# KiCad board asynthosc.kicad_pcb
title: Asynth2Osc; rev: 0.2; company: Redero Tech; note: CERN Open Hardware Licence
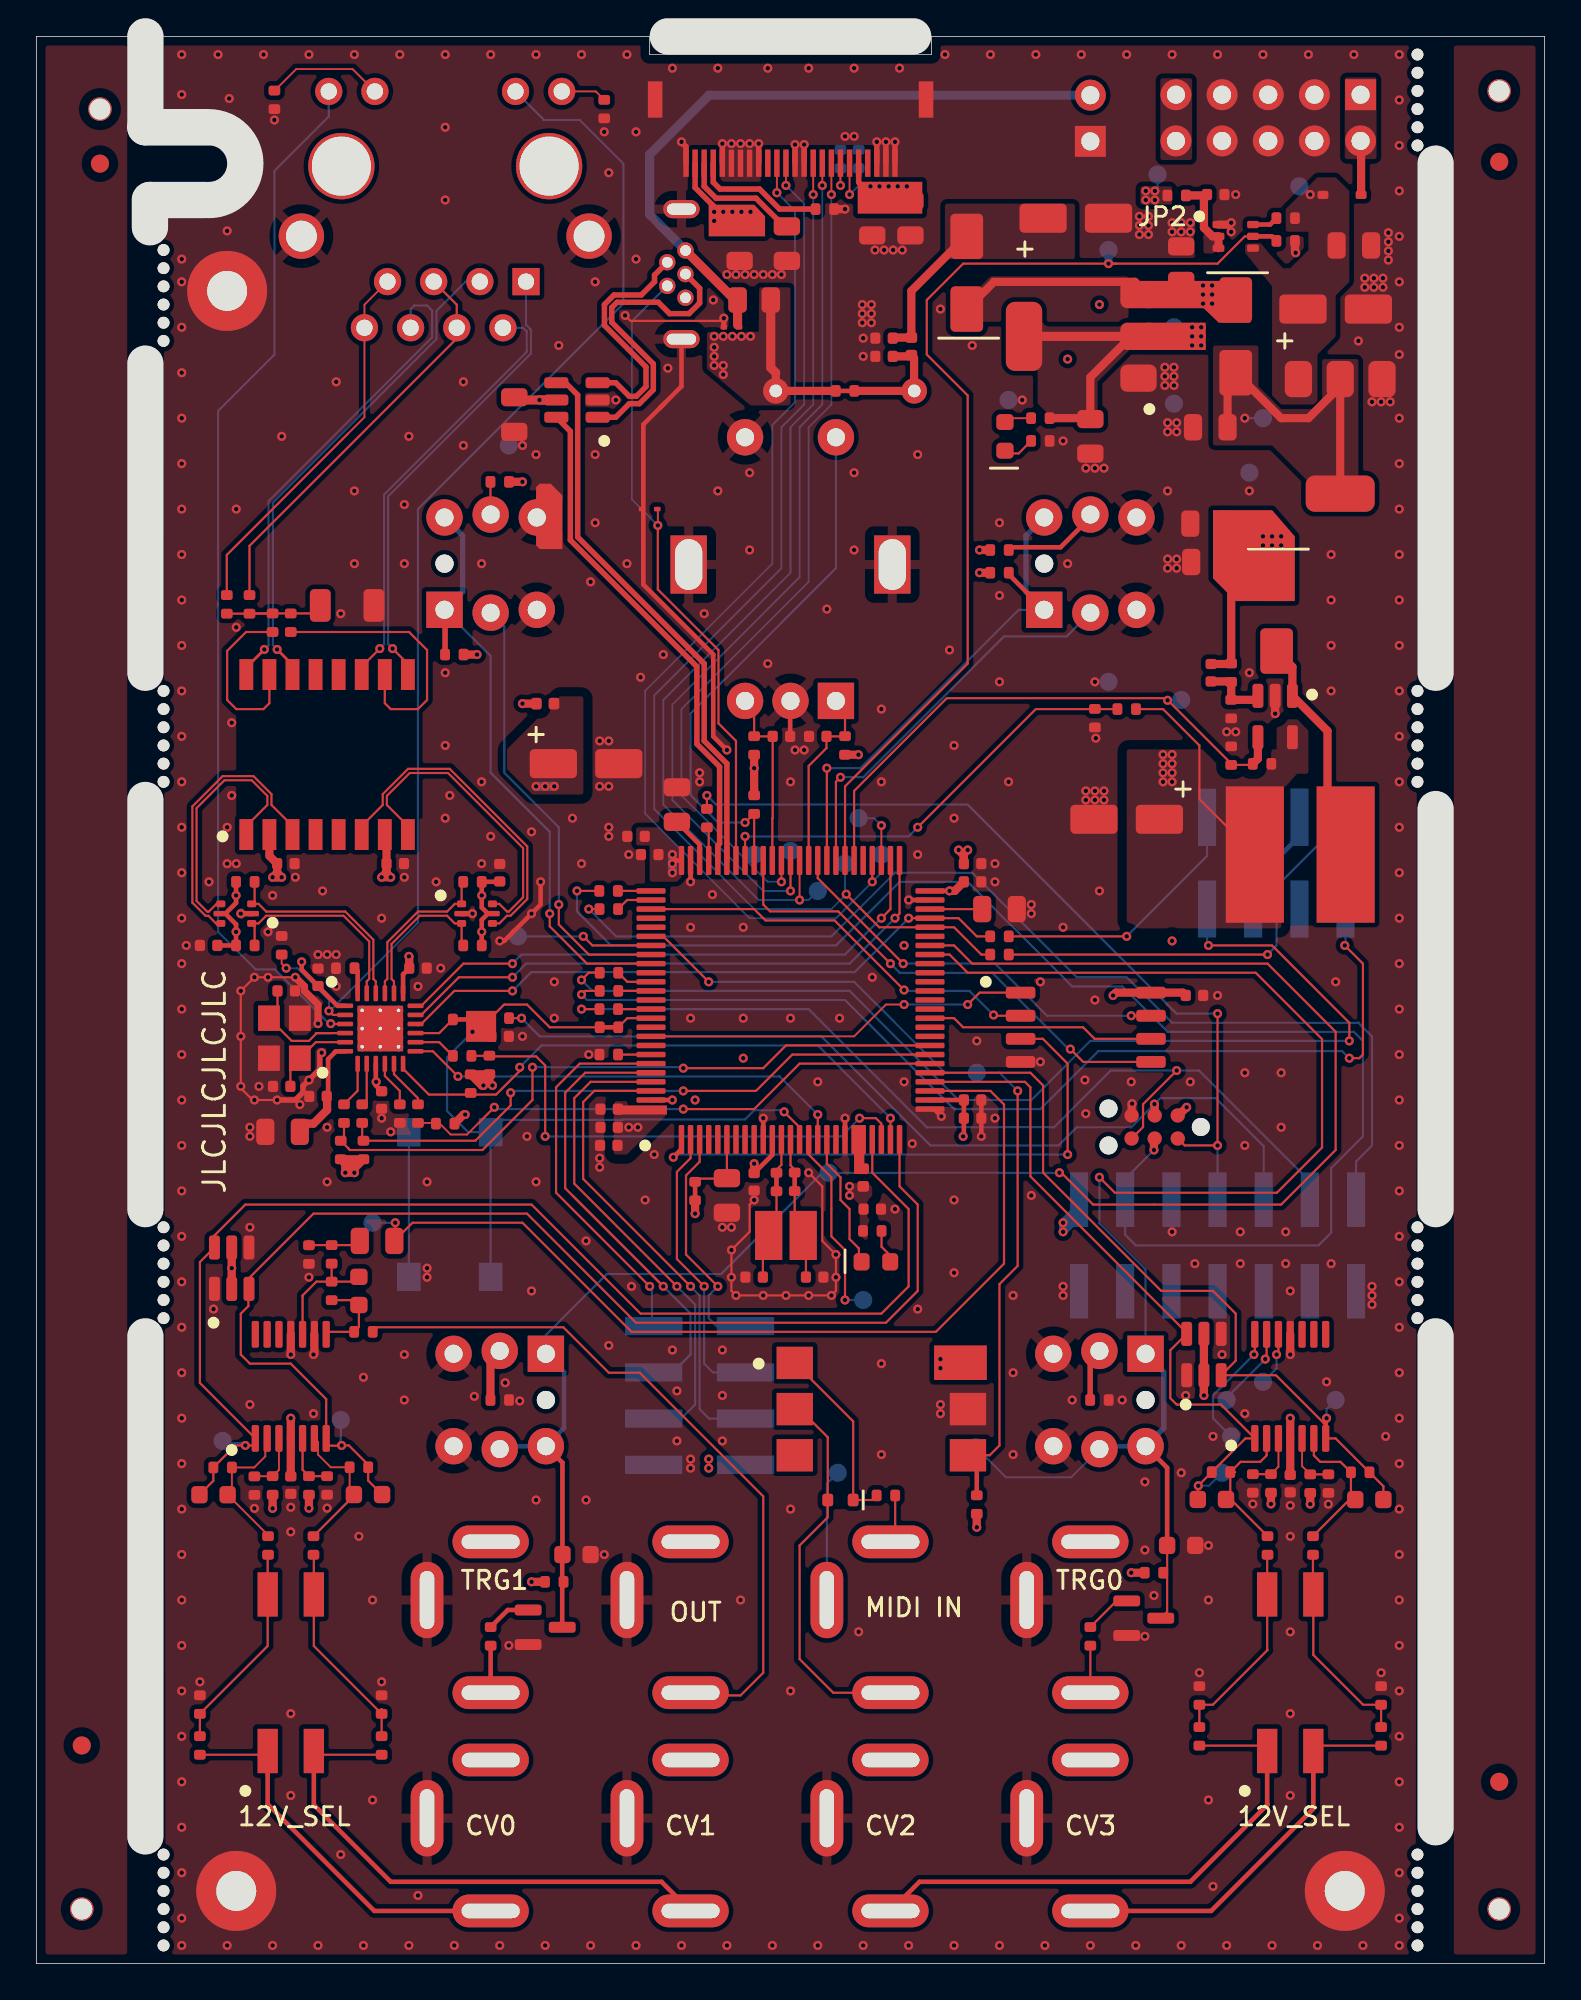
[diagram p0: board, top side]
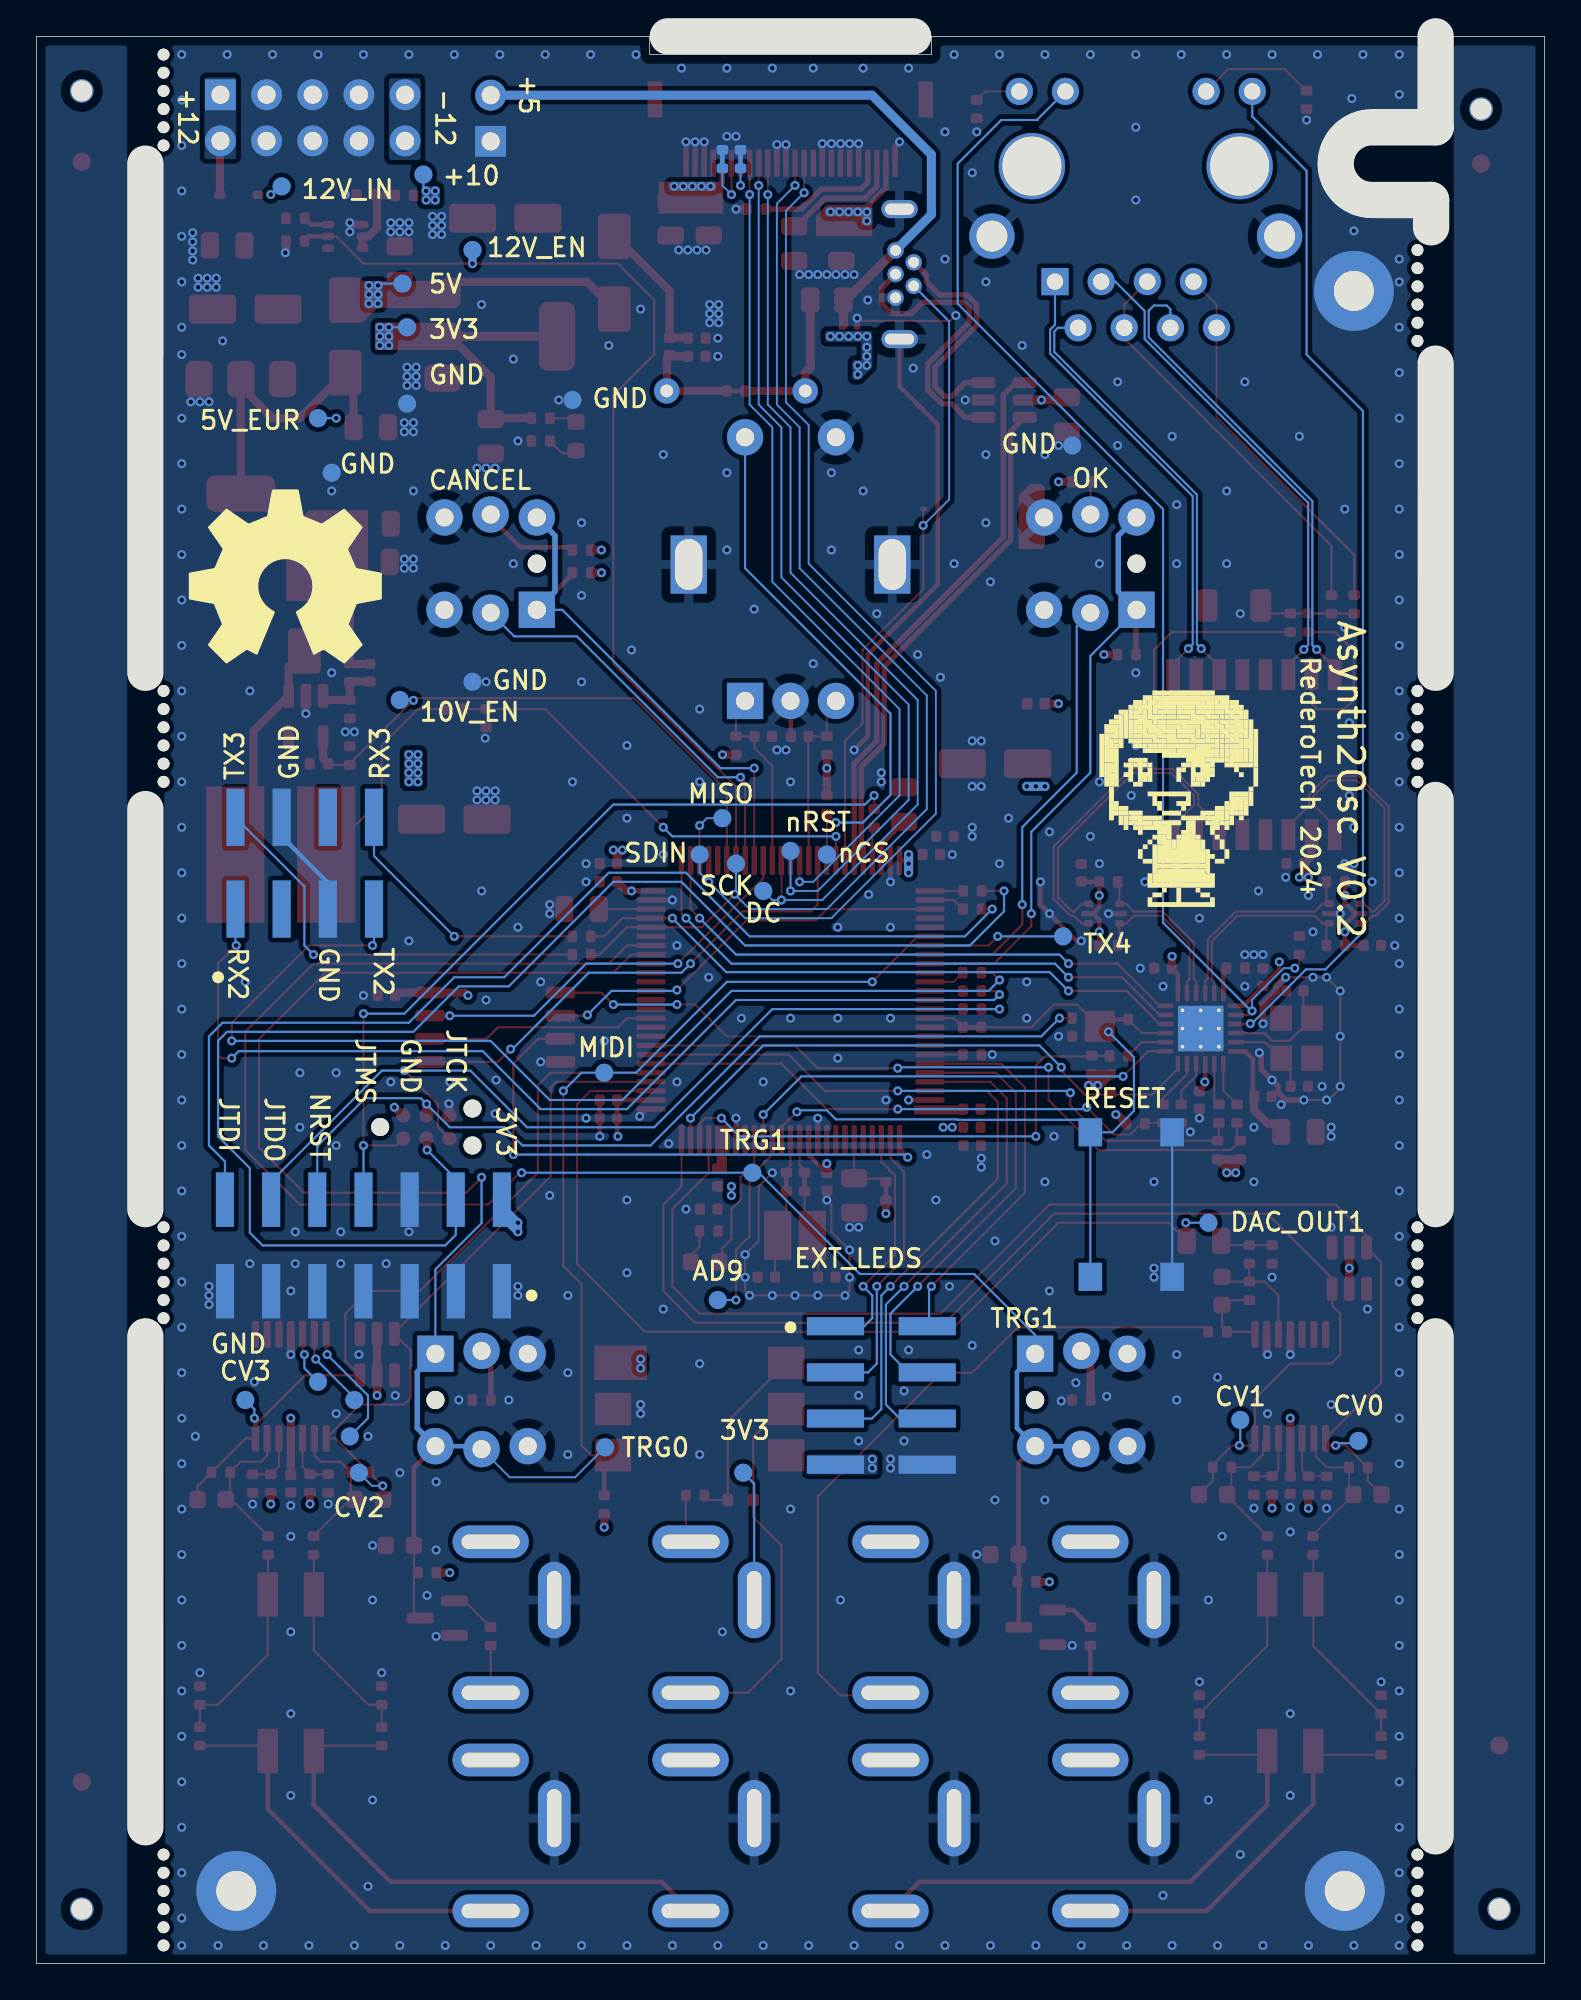
[diagram p1: board, bottom side, seen from below]

Outline 83 x 106 mm; copper layers: Front, In1.Cu, In2.Cu, Back. Coordinates in mm from the lower left corner of the outline.
Outline path: 6,106 6,101 9.25,101 ; 6,71 6,88 ; 6,41.5 6,64 ; 6,7 6,34.5 ; 9.25,97 6.25,97 6.25,95.5 ; 9.5,101 arc(11.5,99) 9.5,97 ; 48.25,106 34.75,106 ; 77,71 77,99 ; 77,41.5 77,63.5 ; 77,7.5 77,34.5 ; 0,106 33.75,106 33.75,105 49.25,105 49.25,106 83,106 83,0 0,0 0,106
Stack: Front 0.035mm / dielectric 0.2104mm FR4 er 4.5 / In1.Cu 0.0152mm / dielectric 1.065mm FR4 er 4.5 / In2.Cu 0.0152mm / dielectric 0.2104mm FR4 er 4.5 / Back 0.035mm

## Placement (name value [footprint] x y rotation side)
C1  100nF  [C_0805_2012Metric]  63 93.5 90 top
C2  100nF  [C_0805_2012Metric]  26.3 85.2 270 top
C3  10uF  [CP_Elec_4x5.4]  60 62.94 180 top  (not fitted)
C4  100nF  [C_0805_2012Metric]  58 84 270 top
C5  10uF  [CP_Elec_4x5.4]  71.5 91 0 top  (not fitted)
C6  680pF  [C_0402_1005Metric]  64.65 71 90 top
C7  47uF 3.037mOhms  [C_0805_2012Metric]  64.5 77.09 180 top
C8  100nF  [C_0805_2012Metric]  72.5 94.5 0 top
C9  100nF  [C_0805_2012Metric]  64.6 84.5 180 top
C10  10nF  [C_0402_1005Metric]  46.65 88.4 180 top
C11  100nF  [C_0402_1005Metric]  46.65 89.4 180 top
C12  10uF  [CP_Elec_4x5.4]  57.2 96 0 top  (not fitted)
C13  100nF  [C_0402_1005Metric]  51.52 60.5 0 top
C14  100nF  [C_0402_1005Metric]  51.52 46.5 0 top
C15  100nF  [C_0402_1005Metric]  46 41.5 0 top
C16  100nF  [C_0402_1005Metric]  39.5 43 270 top
C17  100nF  [C_0402_1005Metric]  51.52 59.5 0 top
C18  100nF  [C_0402_1005Metric]  25.52 51 0 top
C19  100nF  [C_0402_1005Metric]  33.75 61 180 top
C20  100nF  [C_0402_1005Metric]  51.52 47.5 0 top
C21  100nF  [C_0402_1005Metric]  31.52 46 180 top
C22  100nF  [C_0402_1005Metric]  31.52 47 180 top
C23  4.3pF  [C_0402_1005Metric]  39.5 37.76 0 top
C24  4.3pF  [C_0402_1005Metric]  42.83 37.76 180 top
C25  100nF  [C_0402_1005Metric]  31.5 45 180 top
C26  100nF  [C_0402_1005Metric]  33 62 180 top
C27  2.2uF X7R  [C_0805_2012Metric]  53 58 0 top
C28  2.2uF X7R  [C_0805_2012Metric]  35.25 63.75 90 top
C29  1uF  [C_0805_2012Metric]  38 42.25 270 top
C30  100nF  [C_0402_1005Metric]  63.73 53.25 0 top
C31  10uF  [C_0805_2012Metric]  18.75 39.75 0 top
C32  18pF  [C_0603_1608Metric]  17.75 37 270 top
C33  100nF  [C_0603_1608Metric]  29.72 22.5 180 top
C34  1nF  [C_0603_1608Metric]  9.75 25.79 0 top
C35  1nF  [C_0603_1608Metric]  18.25 25.8 180 top
C36  1nF  [C_0603_1608Metric]  64.69 25.53 0 top
C37  100nF  [C_0603_1608Metric]  63 23 180 top
C38  30pF  [C_0402_1005Metric]  13.5 48.25 0 top
C39  30pF  [C_0402_1005Metric]  13.75 53.5 180 top
C40  470pF  [C_0402_1005Metric]  15.5 47.7 180 top
C41  1uF  [C_0805_2012Metric]  13.55 45.75 180 top
C42  100nF  [C_0402_1005Metric]  19 47.5 270 top
C43  100nF  [C_0402_1005Metric]  15.5 54.25 90 top
C44  100nF  [C_0402_1005Metric]  21 54.75 0 top
C45  10uF  [CP_Elec_4x5.4]  30.25 66 0 top  (not fitted)
C46  100nF  [C_0402_1005Metric]  19.75 60.5 0 top
C47  100nF  [C_0402_1005Metric]  13.73 60.5 0 top
C48  1nF X7R 1206  [C_1206_3216Metric]  17.1 74.7 0 top
C49  100nF  [C_0402_1005Metric]  25.5 60 90 top
C50  1nF  [C_0603_1608Metric]  73.35 25.52 180 top
C51  100nF  [C_0402_1005Metric]  41 67.5 0 top
C52  100nF  [C_0402_1005Metric]  43 67.5 180 top
C53  2.2uF X7R  [C_0805_2012Metric]  41.3 94.6 270 top
C54  1uF  [C_0805_2012Metric]  48.1 96 270 top
C55  1uF  [C_0805_2012Metric]  46 96 270 top
C56  4.7uF 25V X7R  [C_0805_2012Metric]  64.45 79.2 180 top
C57  100nF  [C_0805_2012Metric]  38.7 94.6 270 top
C58  100nF  [C_0402_1005Metric]  9.48 56 180 top
C59  100nF  [C_0402_1005Metric]  64.9 97.3 0 top
C60  100nF  [C_0402_1005Metric]  69 26.4 270 top
C61  100nF  [C_0402_1005Metric]  14 26.32 270 top
D1  ESD9B5.0ST5G  [D_SOD-923]  38.25 90 0 top
D2  1N5819WS  [D_SOD-323]  71.85 97.28 0 top
D3  ESD9B5.0ST5G  [D_SOD-923]  33.75 80 0 top
D4  SS24  [D_SMA]  68.25 74.19 270 top
D5  SS24  [D_SMA]  66 89.5 270 top
D6  SS24  [D_SMA]  51.2 93 90 top
D7  LED  [LED_0603_1608Metric]  53.3 84 90 top
D8  LED  [LED_0603_1608Metric]  46.2 38.6 0 top
D15  1N4148WT  [D_SOD-523]  44.25 25.5 180 top
D22  D_Schottky_Dual_SD103ASDM  [SOT-23-6]  10.75 38.25 90 top
D24  D_Schottky_Dual_SD103ASDM  [SOT-23-6]  64.25 33.5 90 top
DS1  OLED Connector 128x64  [Hirose_FH52-24S-0.5SH_1x24-1MP_P0.5mm_Horizontal]  41.5 100.74 180 top
F1  Fuse, 1.25A, trip 2.5A  [R_0805_2012Metric]  39.5 91.5 0 top
FB1  BLM15PX330SN1D  [L_0402_1005Metric]  48.15 88.95 90 top
FB2  BLM15PX330SN1D  [L_0402_1005Metric]  45.5 43.23 90 top
FB3  BLM15PX330SN1D  [L_0402_1005Metric]  28 69.3 180 top
FID1  Fiducial  [Fiducial_1mm_Mask2mm]  80.5 99.1 0 top
FID2  Fiducial  [Fiducial_1mm_Mask2mm]  80.5 10 0 top
FID3  Fiducial  [Fiducial_1mm_Mask2mm]  3.5 99 0 top
FID4  Fiducial  [Fiducial_1mm_Mask2mm]  2.5 12 0 top
H1  MountingHole_Pad  [MountingHole_2.2mm_M2_Pad]  72 4 0 top
H2  MountingHole_Pad  [MountingHole_2.2mm_M2_Pad]  10.5 92 0 top
H3  MountingHole_Pad  [MountingHole_2.2mm_M2_Pad]  11 4 0 top
H4  MountingHole  [MountingHole_JLC_3.5mm]  80.5 103 0 top
H5  MountingHole  [MountingHole_JLC_3.5mm]  3.5 102 0 top
H6  MountingHole  [MountingHole_JLC_3.5mm]  80.5 3 0 top
H7  MountingHole  [MountingHole_JLC_3.5mm]  2.5 3 0 top
J1  USB_B_Micro  [USB_Micro-B_Hanxia_HX_MICRO_180D_ZB]  35.72 92.92 270 top  (not fitted)
J2  Conn_02x05_Odd_Even  [PinHeader_2x05_P2.54mm_Vertical]  72.87 102.79 270 top  (not fitted)
J3  Conn_ARM_SWD_TagConnect_TC2030-NL  [Tag-Connect_TC2030-IDC-NL_2x03_P1.27mm_Vertical]  61.54 46.02 180 top  (not fitted)
J4  Conn_02x07_Odd_Even  [PinSocket_2x07_P2.54mm_Vertical_SMD]  65 39.5 270 bottom  (not fitted)
J5  Conn_02x04_Odd_Even  [PinHeader_2x04_P2.54mm_Vertical_SMD]  68.23 60.53 90 bottom  (not fitted)
J6  AudioJack3  [Jack_3.5mm_3legs_XKB_PJ-3411_Vertical]  36 20 180 bottom  (not fitted)
J7  AudioJack3  [Jack_3.5mm_3legs_XKB_PJ-3411_Vertical]  25 20 180 bottom  (not fitted)
J8  AudioJack3  [Jack_3.5mm_3legs_XKB_PJ-3411_Vertical]  25 8 180 bottom  (not fitted)
J9  AudioJack3  [Jack_3.5mm_3legs_XKB_PJ-3411_Vertical]  36 8 180 bottom  (not fitted)
J10  AudioJack3  [Jack_3.5mm_3legs_XKB_PJ-3411_Vertical]  47 8 180 bottom  (not fitted)
J11  AudioJack3  [Jack_3.5mm_3legs_XKB_PJ-3411_Vertical]  58 20 180 bottom  (not fitted)
J12  RJ45_LED_Shielded  [RJ45_CKMTW_R-RJ45S08P-C000_Vertical]  26.94 92.51 180 top  (not fitted)
J13  AudioJack3  [Jack_3.5mm_3legs_XKB_PJ-3411_Vertical]  47 20 180 bottom  (not fitted)
J14  AudioJack3  [Jack_3.5mm_3legs_XKB_PJ-3411_Vertical]  58 8 180 bottom  (not fitted)
J15  Conn_02x04_Odd_Even  [PinHeader_2x04_P2.54mm_Vertical_SMD]  36.5 31.25 180 bottom  (not fitted)
J17  Conn_01x02  [PinHeader_1x02_P2.54mm_Vertical]  58 100.22 180 top  (not fitted)
JP1  SolderJumper_2_Bridged  [SolderJumper_0402_1005Metric_Bridged]  44.5 86.5 0 top
JP2  SolderJumper_2_Open  [R_0402_1005Metric]  62.75 97.25 180 top
JP3  SolderJumper_2_Bridged  [SolderJumper_0402_1005Metric_Bridged]  40.73 42.99 270 top
JP4  SolderJumper_2_Bridged  [SolderJumper_0402_1005Metric_Bridged]  41.73 43 270 top
JP5  SolderJumper_2_Bridged  [SolderJumper_0402_1005Metric_Bridged]  36.25 42.49 270 top
JP6  SolderJumper_2_Bridged  [SolderJumper_0402_1005Metric_Bridged]  31.51 51.5 0 top
JP7  SolderJumper_2_Open  [R_0402_1005Metric]  55.25 83.75 180 top
JP8  SolderJumper_2_Bridged  [SolderJumper_0402_1005Metric_Bridged]  23.43 51.93 0 top
JP9  SolderJumper_2_Bridged  [SolderJumper_0402_1005Metric_Bridged]  45.25 99.25 270 bottom
JP10  SolderJumper_2_Bridged  [SolderJumper_0402_1005Metric_Bridged]  44.25 99.25 270 bottom
L1  8.2uH / 80mOhm  [L_XR_XRCD75-XRX_7x7.8]  69.55 61 0 top  (not fitted)
MB1  MouseBytes  [MouseBytes_JLC]  76 100 90 top
MB2  MouseBytes  [MouseBytes_JLC]  76 70 270 top
MB3  MouseBytes  [MouseBytes_JLC]  76 35.5 90 top
MB4  MouseBytes  [MouseBytes_JLC]  7 94.25 270 top
MB5  MouseBytes  [MouseBytes_JLC]  7 70 270 top
MB6  MouseBytes  [MouseBytes_JLC]  7 40.5 270 top
MB7  MouseBytes  [MouseBytes_JLC]  7 6 270 top
MB8  MouseBytes  [MouseBytes_JLC]  76 6 270 top
Q1  Q_NPN_BEC  [SOT-23]  28 18.5 0 top
Q2  Q_NPN_BEC  [SOT-23]  60.94 19 0 top
R1  10k  [R_0402_1005Metric]  67.45 65.99 0 top  (not fitted)
R2  10k  [R_0402_1005Metric]  65.75 66.44 90 top
R3  10k  [R_0402_1005Metric]  65.75 69 270 top
R4  68.1k  [R_0402_1005Metric]  65.75 71 270 top
R5  10k  [R_0402_1005Metric]  68.75 94.75 180 top
R6  10k  [R_0402_1005Metric]  68.75 96 180 top
R7  100k  [R_0402_1005Metric]  31.5 50 0 top
R8  4.7k  [R_0402_1005Metric]  60 69 180 top
R9  270R  [R_0402_1005Metric]  55.25 85 180 top
R10  270R  [R_0402_1005Metric]  46 40.3 0 top
R11  22R  [R_0402_1005Metric]  31.51 53.5 0 top
R12  22R  [R_0402_1005Metric]  31.51 54.5 0 top
R13  22R  [R_0402_1005Metric]  53 55.5 180 top
R14  22R  [R_0402_1005Metric]  53 56.5 180 top
R15  22R  [R_0402_1005Metric]  31.49 59 0 top
R16  22R  [R_0402_1005Metric]  36.9 63 270 top
R17  22R  [R_0402_1005Metric]  25.5 52 180 top
R18  22R  [R_0402_1005Metric]  31.5 52.5 0 top
R19  22R  [R_0402_1005Metric]  31.5 58 0 top
R20  39k  [R_0402_1005Metric]  15 39 270 top
R21  5.6k  [R_0402_1005Metric]  16.25 39.01 90 top
R22  39k  [R_0402_1005Metric]  16.25 37 90 top
R23  1k  [R_0402_1005Metric]  18 34.75 180 top
R24  100k  [R_0402_1005Metric]  25 18 270 top
R25  10k  [R_0402_1005Metric]  28.5 21 180 top
R26  270R  [R_0402_1005Metric]  25.5 31 0 top
R27  47k  [R_0402_1005Metric]  9 12 270 top
R28  33k  [R_0402_1005Metric]  9 14.25 90 top
R29  100k  [R_0402_1005Metric]  12.75 23 270 top
R30  100k  [R_0402_1005Metric]  13 26.3 270 top
R31  33k  [R_0402_1005Metric]  12 26.29 270 top
R32  33k  [R_0402_1005Metric]  10.25 27.29 0 top
R33  47k  [R_0402_1005Metric]  19 12 270 top
R34  33k  [R_0402_1005Metric]  19 14.25 90 top
R35  100k  [R_0402_1005Metric]  15.25 23 270 top
R36  100k  [R_0402_1005Metric]  15 26.3 270 top
R37  33k  [R_0402_1005Metric]  16 26.3 270 top
R38  33k  [R_0402_1005Metric]  17.75 27.3 180 top
R39  47k  [R_0402_1005Metric]  64 12.5 270 top
R40  33k  [R_0402_1005Metric]  64 14.75 90 top
R41  100k  [R_0402_1005Metric]  67.75 23 270 top
R42  100k  [R_0402_1005Metric]  67.94 26.41 270 top
R43  33k  [R_0402_1005Metric]  66.94 26.41 270 top
R44  33k  [R_0402_1005Metric]  65.19 27.03 0 top
R45  100k  [R_0402_1005Metric]  58 18 270 top
R46  10k  [R_0402_1005Metric]  61.5 21.5 180 top
R47  270R  [R_0402_1005Metric]  58.5 31 0 top
R48  10k  [R_0402_1005Metric]  18 44.75 270 top
R49  10k  [R_0402_1005Metric]  16.75 44.75 270 top
R50  10k  [R_0402_1005Metric]  24.93 49.43 270 top
R51  1.5K  [R_0402_1005Metric]  23.9 48.4 90 top
R52  33R  [R_0402_1005Metric]  17.93 46.75 90 top
R53  33R  [R_0402_1005Metric]  16.93 46.75 90 top
R54  10k  [R_0402_1005Metric]  20 46.75 90 top
R55  33R  [R_0402_1005Metric]  21 46.75 90 top
R56  33R  [R_0402_1005Metric]  23.43 49.93 180 top
R57  50R  [R_0402_1005Metric]  11.5 59.5 180 top
R58  12.1k  [R_0402_1005Metric]  17 54.75 180 top
R59  50R  [R_0402_1005Metric]  11.5 56 180 top
R60  50R  [R_0402_1005Metric]  24 56 0 top
R61  50R  [R_0402_1005Metric]  24 59.5 0 top
R62  75R  [R_0402_1005Metric]  13 73.75 270 top
R63  75R  [R_0402_1005Metric]  14 73.75 270 top
R64  75R  [R_0402_1005Metric]  11.73 74.76 90 top
R65  75R  [R_0402_1005Metric]  10.48 74.76 90 top
R66  270R  [R_0402_1005Metric]  31.25 102 90 top
R67  270R  [R_0402_1005Metric]  13.1 102.51 90 top
R68  220R  [R_0402_1005Metric]  46.75 25.75 180 top
R69  220R  [R_0402_1005Metric]  51.75 25.25 90 top
R70  47k  [R_0402_1005Metric]  74 12.5 270 top
R71  33k  [R_0402_1005Metric]  74 14.75 90 top
R72  100k  [R_0402_1005Metric]  70.25 23 270 top
R73  100k  [R_0402_1005Metric]  70.1 26.4 270 top
R74  33k  [R_0402_1005Metric]  71.1 26.4 270 top
R75  33k  [R_0402_1005Metric]  72.85 27.02 180 top
R76  10k  [R_0402_1005Metric]  39.5 67 90 top
R77  10k  [R_0402_1005Metric]  44.5 67 90 top
R78  10k  [R_0402_1005Metric]  23 72 180 top
R79  10k  [R_0402_1005Metric]  53 76.5 0 top
R80  270R  [R_0402_1005Metric]  25.5 81.5 180 top
R81  270R  [R_0402_1005Metric]  53 77.75 0 top
R82  1M  [R_0402_1005Metric]  43.39 96.5 0 top
R83  10k  [R_0402_1005Metric]  58.25 68.5 270 top
R84  10k  [R_0402_1005Metric]  39.5 63.75 270 top
R85  10k  [R_0402_1005Metric]  22.5 46.2 0 top
R86  10k  [R_0402_1005Metric]  13.5 56.01 270 top
SW1  SW_Push  [SW_SPST_B3S-1000]  22.75 41.75 270 bottom  (not fitted)
SW2  SW_MEC_5G_LED  [TPB01-X0XLXX_SW_MEC_5G]  25.5 31 180 bottom  (not fitted)
SW3  SW_DIP_x02  [SW_DIP_SPSTx02_Slide_9.78x7.26mm_W8.61mm_P2.54mm]  14 16 90 top
SW4  SW_DIP_x02  [SW_DIP_SPSTx02_Slide_9.78x7.26mm_W8.61mm_P2.54mm]  69 16 90 top
SW5  SW_MEC_5G_LED  [TPB01-X0XLXX_SW_MEC_5G]  58.5 31 180 bottom  (not fitted)
SW6  RotaryEncoder_Switch_MP  [RotaryEncoder_Alps_EC11E-Switch_Vertical_H20mm]  44 69.45 90 bottom  (not fitted)
SW7  SW_MEC_5G_LED  [TPB01-X0XLXX_SW_MEC_5G]  25 77 0 bottom  (not fitted)
SW8  SW_MEC_5G_LED  [TPB01-X0XLXX_SW_MEC_5G]  58 77 0 bottom  (not fitted)
TH1  Thermistor_NTC  [R_Axial_DIN0204_L3.6mm_D1.6mm_P7.62mm_Horizontal]  40.69 86.5 0 top  (not fitted)
TP1  TestPoint  [TestPoint_Pad_D1.0mm]  51.7 28.4 180 bottom
TP2  TestPoint  [TestPoint_Pad_D1.0mm]  65.25 27 180 bottom
TP3  TestPoint  [TestPoint_Pad_D1.0mm]  43.6 43.5 180 bottom
TP4  TestPoint  [TestPoint_Pad_D1.0mm]  63 69.5 180 bottom
TP5  TestPoint  [TestPoint_Pad_D1.0mm]  18.5 40.75 180 bottom
TP6  TestPoint  [TestPoint_Pad_D1.0mm]  16.75 29.9 180 bottom
TP7  TestPoint  [TestPoint_Pad_D1.0mm]  71.5 31 180 bottom
TP8  TestPoint  [TestPoint_Pad_D1.0mm]  10.25 28.75 180 bottom
TP9  TestPoint  [TestPoint_Pad_D1.0mm]  41.5 61.2 180 bottom
TP10  TestPoint  [TestPoint_Pad_D1.0mm]  39.5 61 180 bottom
TP11  TestPoint  [TestPoint_Pad_D1.0mm]  44.5 60.5 180 bottom
TP12  TestPoint  [TestPoint_Pad_D1.0mm]  46.5 61 180 bottom
TP13  TestPoint  [TestPoint_Pad_D1.0mm]  51.75 49 180 bottom
TP14  TestPoint  [TestPoint_Pad_D1.0mm]  43 59 180 bottom
TP15  TestPoint  [TestPoint_Pad_D1.0mm]  61.7 98.4 180 bottom
TP16  TestPoint  [TestPoint_Pad_D1.0mm]  67.5 85 180 bottom
TP17  TestPoint  [TestPoint_Pad_D1.0mm]  66.75 82 180 bottom
TP18  TestPoint  [TestPoint_Pad_D1.0mm]  62.6 85.8 180 bottom
TP19  TestPoint  [TestPoint_Pad_D1.0mm]  59 70.5 180 bottom
TP20  TestPoint  [TestPoint_Pad_D1.0mm]  53.5 86 180 bottom
TP21  TestPoint  [TestPoint_Pad_D1.0mm]  26 83.5 180 bottom
TP22  TestPoint  [TestPoint_Pad_D1.0mm]  62.85 92.4 180 bottom
TP23  TestPoint  [TestPoint_Pad_D1.0mm]  44.1 27 180 bottom
TP24  TestPoint  [TestPoint_Pad_D1.0mm]  45.25 63 180 bottom
TP25  TestPoint  [TestPoint_Pad_D1.0mm]  59 94.25 180 bottom
TP26  TestPoint  [TestPoint_Pad_D1.0mm]  67.5 32 180 bottom
TP27  TestPoint  [TestPoint_Pad_D1.0mm]  65.5 31 180 bottom
TP28  TestPoint  [TestPoint_Pad_D1.0mm]  65.75 29 180 bottom
TP29  TestPoint  [TestPoint_Pad_D1.0mm]  62.6 90 180 bottom
TP30  TestPoint  [TestPoint_Pad_D1.0mm]  69.5 97.75 180 bottom
TP31  TestPoint  [TestPoint_Pad_D1.0mm]  45.5 36.5 180 bottom
TP32  TestPoint  [TestPoint_Pad_D1.0mm]  26.5 56.5 180 bottom
TR1  PT61017PEL  [Transformer_Ethernet_Bourns_PT61017PEL]  16 66.5 90 top
U1  LM1117M-3.3  [SOT-223-3_TabPin2]  57.5 89.5 180 top
U2  LMR62421XMF  [SOT-23-5]  68.17 68.59 270 top
U3  USBLC6-2SC6  [SOT-23-6]  29.75 86 180 top
U4  LM1117M-5.0  [SOT-223-3_TabPin2]  71.75 84 270 top
U5  Si1869DH  [SOT-363_SC-70-6]  66 95 0 top
U7  W25Q32JVSS  [SOIC-8_5.3x5.3mm_P1.27mm]  57.75 51.5 0 top
U8  LM2902PWR  [TSSOP-14_4.4x5mm_P0.65mm]  14 31.75 90 top
U9  LM2902PWR  [TSSOP-14_4.4x5mm_P0.65mm]  69 31.75 90 top
U10  LAN8742A  [VQFN-24-1EP_4x4mm_P0.5mm_EP2.5x2.5mm_ThermalVias]  18.93 51.43 0 top
U11  USBLC6-2P6  [SOT-666]  11 57.75 180 top
U12  H11L1  [SMDIP-6_W9.53mm]  46.5 30.5 0 top
U13  USBLC6-2P6  [SOT-666]  24.25 57.75 0 top
U14  STM32H743VITx  [LQFP-100_14x14mm_P0.5mm]  41.5 53 90 top
Y1  8MHz, 8pF  [Crystal_SMD_3225-2Pin_3.2x2.5mm]  41.25 40.05 0 top
Y3  25MHZ,20PF,30PPM  [Crystal_SMD_3225-4Pin_3.2x2.5mm]  13.65 50.9 90 top

## Library data of the parts
C1 C2 C4 C8 C9 C57 = -: Description: Unpolarized capacitor; LCSC: C49678; RefNum: _generic_; JLC: 0805; ki_fp_filters: C_*
C3 C5 C12 C45 = -: Description: Polarized capacitor; LCSC: C72485; Manufacturer: Roqang; RefNum: RVT1V100M0405; ki_fp_filters: CP_*
C6 = -: Description: Unpolarized capacitor; LCSC: C113781; RefNum: _generic_; JLC: 0402; ki_fp_filters: C_*
C7 = -: Description: Unpolarized capacitor; LCSC: C16780; RefNum: _generic_; JLC: 0805; ki_fp_filters: C_*
C10 = -: Description: Unpolarized capacitor; LCSC: C15195; RefNum: _generic_; JLC: 0402; ki_fp_filters: C_*
C11 C13-C22 C25 C26 C30 C42-C44 C46 C47 C49 C51 C52 C58-C61 = -: Description: Unpolarized capacitor; LCSC: C307331; RefNum: _generic_; JLC: 0402; ki_fp_filters: C_*
C23 C24 = -: Description: Unpolarized capacitor; LCSC: C161323; RefNum: _generic_; JLC: 0402; ki_fp_filters: C_*
C27 C28 C53 = -: Description: Unpolarized capacitor; LCSC: C377773; RefNum: _generic_; JLC: 0805; ki_fp_filters: C_*
C29 C41 C54 C55 = -: Description: Unpolarized capacitor; LCSC: C28323; RefNum: _generic_; JLC: 0805; ki_fp_filters: C_*
C31 = -: Description: Unpolarized capacitor; LCSC: C15850; RefNum: _generic_; JLC: 0805; ki_fp_filters: C_*
C32 = -: Description: Unpolarized capacitor; LCSC: C1647; RefNum: _generic_; JLC: 0603; ki_fp_filters: C_*
C33 C37 = -: Description: Unpolarized capacitor; LCSC: C14663; RefNum: _generic_; JLC: 0603; ki_fp_filters: C_*
C34-C36 C50 = -: Description: Unpolarized capacitor; LCSC: C1588; RefNum: _generic_; JLC: 0603; ki_fp_filters: C_*
C38 C39 = -: Description: Unpolarized capacitor; LCSC: C1570; RefNum: _generic_; JLC: 0402; ki_fp_filters: C_*
C40 = -: Description: Unpolarized capacitor; LCSC: C295986; RefNum: _generic_; JLC: 0402; ki_fp_filters: C_*
C48 = -: Description: Unpolarized capacitor; LCSC: C9196; RefNum: _generic_; JLC: 1206; ki_fp_filters: C_*
C56 = -: Description: Unpolarized capacitor; LCSC: C1779; RefNum: _generic_; JLC: 0805; ki_fp_filters: C_*
D1 D3 = -: Datasheet: https://www.onsemi.com/pub/Collateral/ESD9B-D.PDF; Description: ESD protection diode, 5.0Vrwm, SOD-923; LCSC: C111566; Manufacturer: OnSemi; JLC: SOD-923; ki_fp_filters: D*SOD?923*
D2 = -: Datasheet: https://datasheet.lcsc.com/lcsc/2204281430_Guangdong-Hottech-1N5819WS_C191023.pdf; Description: 40V 600mV@1A 1A SOD-323 Schottky Barrier Diodes, SOD-323; LCSC: C2921026; Manufacturer: Agertech; JLC: SOD-323; ki_fp_filters: D*SOD?323*
D4-D6 = -: Datasheet: https://www.vishay.com/docs/88748/ss22.pdf; Description: 40V 2A Schottky Diode, SMA; LCSC: C3014007; Manufacturer: Fosan; JLC: SMA; ki_fp_filters: D*SMA*
D7 D8 = -: Description: Light emitting diode; LCSC: C3030991; RefNum: _generic_; JLC: 0603; Sim.Pins: 1=K 2=A; ki_fp_filters: LED* LED_SMD:* LED_THT:*
D15 = -: Datasheet: https://www.diodes.com/assets/Datasheets/ds30396.pdf; Description: 75V 0.15A Fast switching Diode, SOD-523; Sim.Device: D; Sim.Pins: 1=K 2=A; LCSC: C232841; Manufacturer: OnSemi; JLC: SOD-523; ki_fp_filters: D*SOD?523*
D22 D24 = -: Description: Dual Schottky diode, anode/center/cathode; LCSC: C154909; Manufacturer: Diodes, Inc; RefNum: SD103ASDM-7-F; JLC: SOT-23-6; ki_fp_filters: SOT?23?6*
DS1 = -: Datasheet: https://www.jx-wisevision.com/1-54-small-128x64-dots-oled-display-module-screen-product/; Description: OLED display 128x64; LCSC: C5378714; Manufacturer: Hirose; RefNum: FH52-24S-0.5SH; ki_fp_filters: *1x24*P0.5mm* FPC0.5B-WTG-24P*
F1 = -: Description: Fuse; RefNum: _generic_; LCSC: C70063; JLC: 0805; ki_fp_filters: *Fuse*
FB1-FB3 = -: Description: Ferrite bead; Sim.Library: spice_mods/BLM15PX330SN1.mod; Sim.Name: BLM15PX330SN1; Sim.Device: SUBCKT; Sim.Pins: 1=port1 2=port2; LCSC: C160974; Manufacturer: Murata; ki_fp_filters: Inductor_* L_* *Ferrite*
FID1-FID4 = -: Description: Fiducial Marker; RefNum: _na_; ki_fp_filters: Fiducial*
H1-H3 = -: Description: Mounting Hole with connection; RefNum: _na_; ki_fp_filters: MountingHole*Pad*
H4-H7 = -: Description: Mounting Hole without connection; RefNum: _na_; ki_fp_filters: MountingHole*
J1 = -: Description: USB Micro Type B connector; Sim.Device: V; Sim.Type: DC; Sim.Pins: 1=+ 5=-; Sim.Params: dc=5V ac=0.2; LCSC: C5160321; Manufacturer: Hanxia; RefNum: HX MICRO 180D ZB; ki_fp_filters: USB*
J2 = -: Description: Generic connector, double row, 02x05, odd/even pin numbering scheme (row 1 odd numbers, row 2 even numbers), script generated (kicad-library-utils/schlib/autogen/connector/); LCSC: C3294463; Manufacturer: HCTL; RefNum: PZ254-2-05-S; ki_fp_filters: Connector*:*_2x??_*
J3 = -: Datasheet: https://www.tag-connect.com/wp-content/uploads/bsk-pdf-manager/TC2030-CTX_1.pdf; Description: Tag-Connect ARM Cortex SWD JTAG connector, 6 pin, no legs; RefNum: _na_; ki_fp_filters: *TC2030*
J4 = -: Description: Generic connector, double row, 02x07, odd/even pin numbering scheme (row 1 odd numbers, row 2 even numbers), script generated (kicad-library-utils/schlib/autogen/connector/); LCSC: C84004; Manufacturer: Boomele; RefNum: 2.54-2*7P; ki_fp_filters: Connector*:*_2x??_*
J5 J15 = -: Description: Generic connector, double row, 02x04, odd/even pin numbering scheme (row 1 odd numbers, row 2 even numbers), script generated (kicad-library-utils/schlib/autogen/connector/); LCSC: C192300; Manufacturer: Boomele; RefNum: 2.54-2*4P; ki_fp_filters: Connector*:*_2x??_*
J6 J13 = -: Description: Audio Jack, 3 Poles (Stereo / TRS); Sim.Device: V; Sim.Type: PULSE; Sim.Pins: R=+ T=-; Sim.Params: y1=0 y2=5 td=0 tr=0 tf=0 tw=0 per=32u; LCSC: C381132; Manufacturer: XKB; RefNum: PJ-3411; ki_fp_filters: Jack*
J7 J11 = -: Description: Audio Jack, 3 Poles (Stereo / TRS); Sim.Device: V; Sim.Type: PULSE; Sim.Pins: S=- T=+; Sim.Params: y1=0 y2=12 td=0 tr=0 tf=0 tw=0.1 per=1; LCSC: C381132; Manufacturer: XKB; RefNum: PJ-3411; ki_fp_filters: Jack*
J8-J10 J14 = -: Description: Audio Jack, 3 Poles (Stereo / TRS); Sim.Device: V; Sim.Type: SIN; Sim.Pins: S=- T=+; Sim.Params: dc=0 ampl=12 f=2; LCSC: C381132; Manufacturer: XKB; RefNum: PJ-3411; ki_fp_filters: Jack*
J12 = -: Description: RJ connector, 8P8C (8 positions 8 connected), two LEDs, Shielded; LCSC: C386764; Manufacturer: Ckmtw; RefNum: R-RJ45S08P-C000; ki_fp_filters: 8P8C* RJ45*
J17 = -: Description: Generic connector, single row, 01x02, script generated (kicad-library-utils/schlib/autogen/connector/); RefNum: _na_; ki_fp_filters: Connector*:*_1x??_*
JP1 JP3-JP6 JP8-JP10 = -: Description: Solder Jumper, 2-pole, closed/bridged; RefNum: _na_; ki_fp_filters: SolderJumper*Bridged*
JP2 JP7 = -: Description: Solder Jumper, 2-pole, open; RefNum: _na_; ki_fp_filters: SolderJumper*Open*
L1 = -: Description: Inductor; RefNum: XRCD75-8R2M; LCSC: C7462918; Manufacturer: Xiangru; ki_fp_filters: Choke_* *Coil* Inductor_* L_*
MB1-MB8 = -: Description: Mouse Bytes; RefNum: _na_; ki_fp_filters: MouseBytes*
Q1 Q2 = -: Description: NPN transistor, base/emitter/collector; Sim.Device: NPN; Sim.Type: VBIC; Sim.Pins: 1=B 2=E 3=C; RefNum: S8050-J3Y; LCSC: C18221467; Manufacturer: JSMSEMI; JLC: SOT-23
R1-R3 R5 R6 R25 R46 R48-R50 R54 R76-R79 R83-R86 = -: Description: Resistor; LCSC: C25744; RefNum: _generic_; JLC: 0402; ki_fp_filters: R_*
R4 = -: Description: Resistor; LCSC: C304634; RefNum: _generic_; JLC: 0402; ki_fp_filters: R_*